# Allegro board 6089-103-RevA_73.brd (continued)
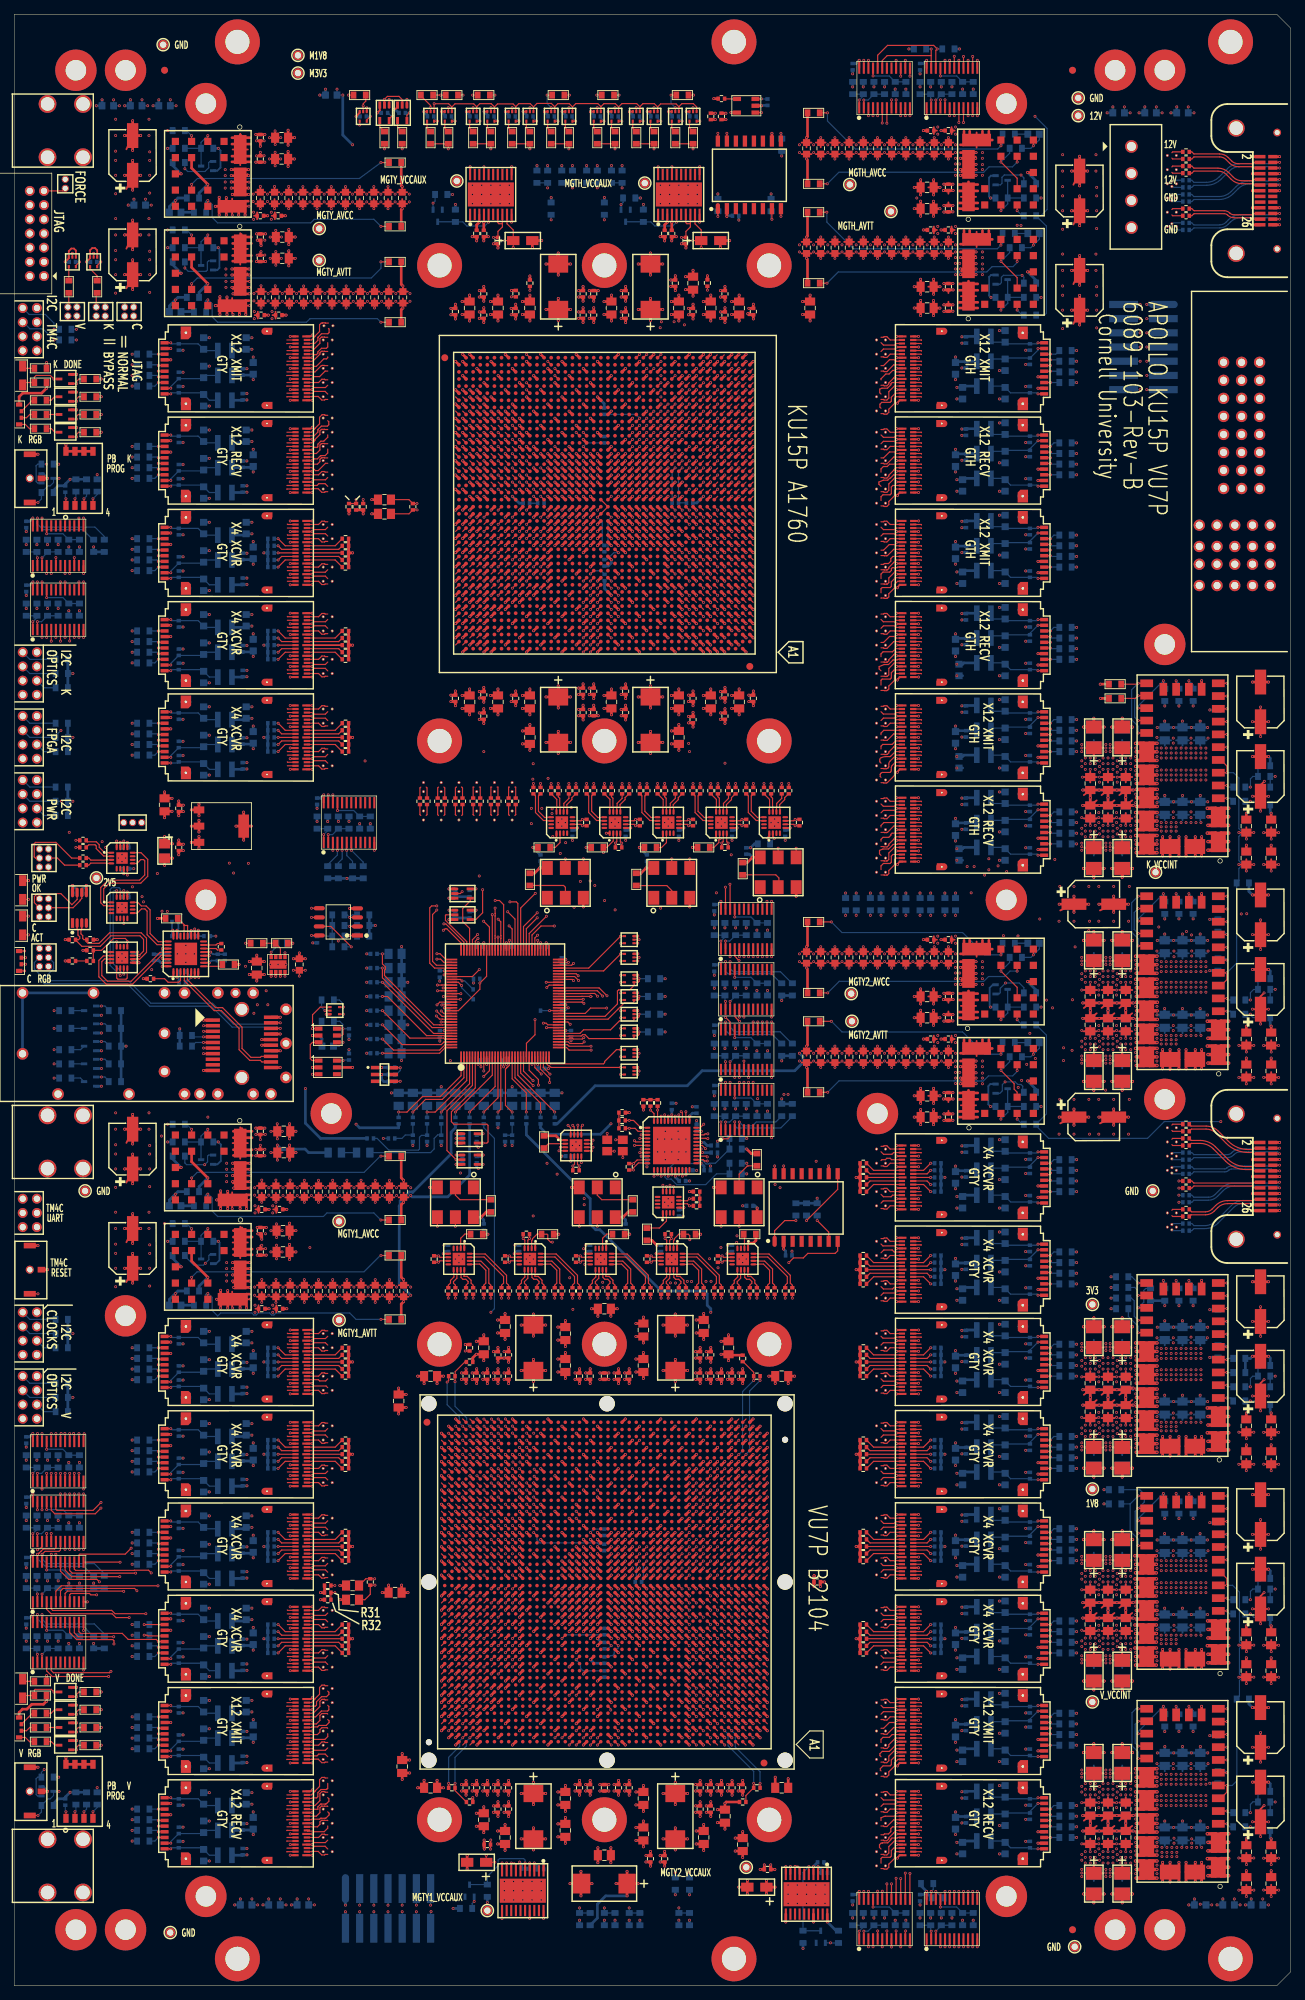
[diagram p0: board, top side]
## Routing (per net, layer and track width the routed paths; a pad name or vN(x,y) marks a point on that pad's centre or on a via; arc(x,y) is an arc through that point) (continued)
PK_FF1_RECV7: length 49.8
  TOP w0.165: U109.B9 127.85,162.4 127.9,162.35 127.9,162.38 ; U65.H2 103.17,194.93
  SIG2 w0.083: 127.9,162.38 126.3,162.38 arc(126.23,162.38) 126.16,162.36 arc(126.09,162.34) 126.03,162.32 arc(125.49,162.17) 124.94,162.12 121.93,162.12 arc(121.66,162.18) 121.43,162.33 115.29,168.47 arc(114.43,169.75) 114.13,171.26 114.13,176.86 arc(113.73,178.87) 112.59,180.57 110.24,182.93 arc(109.27,184.38) 108.93,186.09 108.93,189.93 arc(108.69,191.18) 107.98,192.23 104.8,195.41 arc(104.61,195.54) 104.39,195.58 103.9,195.58 arc(103.78,195.56) 103.69,195.49 103.65,195.46 arc(103.59,195.37) 103.57,195.25 103.57,195.01 103.49,194.93 103.17,194.93
PK_FF1_RECV8: length 51.6
  TOP w0.165: U109.A6 124.55,160.9 124.47,160.82 123.91,160.82 123.26,160.17 122.46,160.17 121.99,159.98 121.99,159.49 122.2,159.28 ; U65.G4 101.17,193.93
  SIG4 w0.083: 122.2,159.28 122.19,159.27 121.54,159.27 arc(121.42,159.25) 121.32,159.18 121.17,159.03 arc(121.15,159.02) 121.11,159.01 121.01,159.01 arc(120.95,159.02) 120.91,159.05 115.57,164.39 arc(114.71,165.68) 114.41,167.19 114.41,179.09 arc(114.13,180.52) 113.32,181.73 109.49,185.56 arc(108.64,186.82) 108.35,188.3 108.35,188.82 arc(108,190.6) 106.99,192.11 104.83,194.27 arc(104.58,194.44) 104.28,194.5 101.91,194.5 arc(101.79,194.47) 101.7,194.41 101.65,194.36 arc(101.59,194.27) 101.57,194.16 101.57,194.01 101.49,193.93 101.17,193.93
PK_FF1_RECV9: length 50.2
  TOP w0.165: U109.B6 127.85,160.9 127.9,160.85 127.9,160.88 ; U65.F2 103.17,192.93
  SIG2 w0.083: 103.17,192.93 103.49,192.93 103.57,193.01 103.57,193.25 arc(103.59,193.37) 103.65,193.46 103.69,193.49 arc(103.78,193.56) 103.9,193.58 104.41,193.58 arc(104.82,193.5) 105.18,193.26 107.06,191.38 arc(107.59,190.58) 107.78,189.63 107.78,185.75 arc(108.13,183.96) 109.14,182.45 111.73,179.87 arc(112.45,178.79) 112.7,177.53 112.7,170.38 112.7,170.38 arc(112.92,169.24) 113.57,168.27 121.42,160.42 arc(121.76,160.2) 122.15,160.12 123.31,160.12 arc(123.6,160.18) 123.86,160.35 123.93,160.43 arc(124.26,160.64) 124.65,160.72 127.45,160.72 127.61,160.88 127.9,160.88
PK_FF1_RECV10: length 52.3
  TOP w0.165: U109.A3 123.89,159.4 123.65,159.16 123.65,158.31 123.48,158.14 122.54,158.14 122.2,157.8 122.2,157.28 ; U65.E4 101.17,191.93
  SIG4 w0.083: 122.2,157.28 121.42,157.28 arc(121.29,157.26) 121.17,157.19 121.08,157.11 arc(121,157.06) 120.91,157.04 120.55,157.04 arc(120.49,157.05) 120.43,157.09 114.52,163 arc(113.52,164.04) 112.58,165.13 111.11,166.89 arc(110.7,167.5) 110.41,168.17 110.32,168.49 arc(110.08,169.52) 110,170.58 110,179.12 arc(109.74,180.44) 108.99,181.56 105.96,184.59 arc(105.33,185.53) 105.11,186.65 105.11,191.75 arc(105.06,191.99) 104.93,192.18 104.69,192.42 arc(104.54,192.52) 104.36,192.56 101.86,192.56 101.76,192.52 101.73,192.52 101.71,192.5 arc(101.69,192.47) 101.67,192.45 arc(101.6,192.31) 101.57,192.15 101.57,192.01 101.49,191.93 101.17,191.93
PK_FF1_RECV11: length 50.4
  TOP w0.165: U65.D2 103.17,190.93 ; U109.B3 127.85,159.4 127.9,159.35 127.9,159.38
  SIG2 w0.083: 127.9,159.38 127.61,159.38 127.45,159.22 125.26,159.22 arc(124.59,159.09) 124.03,158.72 123.96,158.64 arc(123.36,158.24) 122.65,158.1 122.15,158.1 arc(121.68,158.2) 121.27,158.47 112.19,167.55 arc(111.68,168.31) 111.5,169.21 111.5,177.12 arc(111.24,178.4) 110.52,179.48 105.96,184.05 arc(105.28,185.07) 105.04,186.27 105.04,190.87 arc(104.98,191.14) 104.83,191.37 104.79,191.41 arc(104.63,191.52) 104.43,191.56 103.9,191.56 arc(103.78,191.53) 103.69,191.47 103.65,191.44 arc(103.59,191.34) 103.57,191.23 103.57,191.01 103.49,190.93 103.17,190.93
PK_FF1_XMIT0: length 44.3
  TOP w0.165: U108.B18 127.85,179.9 127.9,179.85 127.9,179.88 ; U65.R8 97.17,201.93
  SIG3 w0.083: 97.17,201.93 97.64,201.93 97.65,201.94 97.65,202.16 arc(97.67,202.27) 97.74,202.37 97.76,202.4 arc(97.86,202.46) 97.97,202.48 104.17,202.48 arc(104.58,202.4) 104.92,202.17 116.95,190.14 arc(117.49,189.34) 117.67,188.4 117.67,186.97 arc(117.9,185.82) 118.56,184.84 122.3,181.1 arc(122.53,180.94) 122.82,180.88 123.05,180.88 arc(123.39,180.82) 123.67,180.63 124.27,180.03 arc(124.61,179.8) 125.01,179.72 127.74,179.72 127.9,179.88
PK_FF1_XMIT1: length 39.8
  TOP w0.165: 122.2,180.28 122.56,180.28 122.64,180.36 123.03,180.36 123.49,179.9 U108.A18 ; U65.P6 99.17,200.93
  SIG1 w0.083: 122.2,180.28 121.5,180.28 arc(121.36,180.25) 121.25,180.18 121.17,180.1 arc(121.04,180.01) 120.89,179.98 120.7,179.98 arc(120.48,180.03) 120.3,180.15 118.6,181.84 arc(118.02,182.72) 117.81,183.76 117.81,186.72 arc(117.3,189.3) 115.84,191.48 106.66,200.65 arc(105.64,201.34) 104.43,201.58 99.9,201.58 arc(99.78,201.56) 99.69,201.49 99.65,201.46 arc(99.59,201.37) 99.57,201.25 99.57,201.01 99.49,200.93 99.17,200.93
PK_FF1_XMIT2: length 44.5
  TOP w0.165: U65.N8 97.17,199.93 ; U108.B15 127.85,178.4 127.9,178.35 127.9,178.38
  SIG3 w0.083: 127.9,178.38 127.87,178.38 127.71,178.22 124.91,178.22 arc(124.6,178.28) 124.33,178.46 124.05,178.75 arc(123.75,178.95) 123.39,179.02 122.1,179.02 arc(121.67,179.11) 121.3,179.35 117.05,183.6 arc(116.4,184.58) 116.17,185.73 116.17,187.63 arc(115.93,188.83) 115.25,189.85 104.94,200.16 arc(104.47,200.47) 103.93,200.58 97.91,200.58 arc(97.75,200.54) 97.64,200.42 arc(97.61,200.37) 97.59,200.31 arc(97.57,200.23) 97.57,200.16 97.57,200.01 97.49,199.93 97.17,199.93
PK_FF1_XMIT3: length 39.8
  TOP w0.165: U108.A15 124.34,178.4 124.12,178.62 122.54,178.62 122.2,178.28 ; U65.M6 99.17,198.93
  SIG1 w0.083: 122.2,178.28 121.48,178.28 arc(121.36,178.26) 121.26,178.19 121.14,178.08 arc(121.04,178.01) 120.92,177.98 120.49,177.98 arc(120.19,178.04) 119.94,178.21 117.13,181.02 arc(116.27,182.31) 115.97,183.83 115.97,187.22 arc(115.61,189.02) 114.59,190.54 arc(114.58,190.55) 114.57,190.56 107.04,198.09 arc(106.52,198.51) 105.94,198.83 104.43,199.45 arc(104.18,199.52) 103.93,199.55 99.9,199.55 arc(99.78,199.53) 99.69,199.46 99.65,199.43 arc(99.59,199.34) 99.57,199.22 99.57,199.01 99.49,198.93 99.17,198.93
PK_FF1_XMIT4: length 44.4
  TOP w0.165: 127.9,176.88 127.9,176.85 127.85,176.9 U108.B12 ; U65.L8 97.17,197.93
  SIG3 w0.083: 97.17,197.93 97.49,197.93 97.57,198.01 97.57,198.17 arc(97.59,198.28) 97.65,198.38 97.69,198.41 arc(97.78,198.48) 97.9,198.5 104.27,198.5 arc(104.69,198.42) 105.05,198.18 113.85,189.38 arc(114.48,188.43) 114.7,187.32 114.7,185.03 arc(114.9,184.03) 115.46,183.19 121.49,177.16 arc(121.64,177.06) 121.81,177.03 122.95,177.03 arc(123.16,176.98) 123.33,176.87 123.37,176.83 arc(123.49,176.75) 123.63,176.72 127.74,176.72 127.9,176.88
PK_FF1_XMIT5: length 40
  TOP w0.165: U65.K6 99.17,196.93 ; U108.A12 122.59,176.9 122.2,176.51 122.2,176.28
  SIG1 w0.083: 99.17,196.93 99.4,196.93 99.5,197.03 99.5,197.21 arc(99.52,197.33) 99.59,197.42 99.62,197.45 arc(99.71,197.52) 99.83,197.54 103.77,197.54 arc(104.46,197.47) 105.11,197.27 106.09,196.87 arc(106.68,196.55) 107.2,196.13 112.85,190.47 arc(112.86,190.46) 112.87,190.46 arc(113.84,189) 114.19,187.28 114.19,183.82 arc(114.51,182.19) 115.43,180.82 120,176.24 arc(120.3,176.04) 120.66,175.97 120.86,175.97 arc(121.01,176) 121.13,176.08 121.26,176.21 arc(121.34,176.26) 121.43,176.28 122.2,176.28
PK_FF1_XMIT6: length 44.4
  TOP w0.165: U108.B9 127.89,175.4 ; U65.J8 97.21,195.89
  SIG3 w0.083: 97.21,195.89 97.52,195.89 97.6,195.97 97.6,196.21 arc(97.63,196.36) 97.71,196.48 97.72,196.49 arc(97.82,196.56) 97.94,196.58 103.94,196.58 arc(104.75,196.42) 105.43,195.96 111.88,189.51 arc(112.72,188.26) 113.01,186.79 113.01,184.81 arc(113.2,183.85) 113.74,183.04 121.59,175.2 arc(121.74,175.09) 121.91,175.06 122.48,175.06 arc(122.56,175.07) 122.62,175.11 122.63,175.13 arc(122.75,175.21) 122.89,175.24 127.73,175.24 127.89,175.4
PK_FF1_XMIT7: length 40.3
  TOP w0.165: U65.H6 99.17,194.93 ; U108.A9 124.25,175.4 123.77,174.92 122.45,174.92 122.2,174.67 122.2,174.28
  SIG1 w0.083: 122.2,174.28 121.44,174.28 arc(121.33,174.26) 121.24,174.2 121.14,174.1 arc(121.04,174.03) 120.93,174.01 120.71,174.01 arc(120.27,174.1) 119.9,174.34 113.48,180.77 arc(112.53,182.18) 112.2,183.86 112.2,187.25 arc(111.83,189.12) 110.76,190.71 arc(110.75,190.72) 110.75,190.73 107.19,194.28 arc(106.73,194.67) 106.19,194.95 105.22,195.36 arc(104.78,195.49) 104.32,195.53 99.9,195.53 arc(99.78,195.51) 99.69,195.45 99.65,195.42 arc(99.59,195.32) 99.57,195.21 99.57,195.01 99.49,194.93 99.17,194.93
PK_FF1_XMIT8: length 47.3
  TOP w0.165: U108.B6 127.85,173.9 127.9,173.85 127.9,173.88 ; U65.H10 95.17,194.93
  SIG3 w0.083: 127.9,173.88 127.69,173.68 123.9,173.68 arc(123.51,173.6) 123.18,173.38 123.02,173.22 arc(122.81,173.08) 122.56,173.03 122.02,173.03 arc(121.74,173.09) 121.49,173.25 112.1,182.64 arc(111.55,183.46) 111.36,184.43 111.36,187.21 111.38,187.25 111.36,187.29 110.55,189.33 110.55,189.34 110.52,189.36 110.52,189.43 107.3,192.65 104.63,195.32 arc(104.38,195.49) 104.08,195.54 95.9,195.54 arc(95.78,195.52) 95.69,195.46 95.68,195.45 arc(95.61,195.35) 95.59,195.24 95.59,195.03 95.49,194.93 95.17,194.93
PK_FF1_XMIT9: length 43.8
  TOP w0.165: 122.2,172.28 122.07,172.41 arc(122.03,172.47) 122.02,172.53 122.02,172.76 arc(122.08,172.94) 122.24,173.05 arc(122.55,173.16) 122.87,173.2 123.44,173.2 arc(123.5,173.21) 123.55,173.24 124.11,173.8 arc(124.22,173.87) 124.35,173.9 U108.A6 ; U65.G8 97.17,193.93
  SIG1 w0.083: 122.2,172.28 121.44,172.28 arc(121.28,172.25) 121.16,172.17 121.11,172.12 arc(120.98,172.03) 120.84,172 120.28,172 arc(119.83,172.09) 119.45,172.35 112.22,179.57 arc(111.13,181.2) 110.75,183.13 110.75,187.15 arc(110.42,188.81) 109.48,190.22 105.84,193.86 arc(105.06,194.38) 104.15,194.56 97.77,194.56 97.57,194.35 97.57,194.01 97.49,193.93 97.17,193.93
PK_FF1_XMIT10: length 43.8
  TOP w0.165: U65.F6 99.17,192.93 ; 127.9,172.38 127.9,172.35 127.85,172.4 U108.B3
  SIG3 w0.083: 99.17,192.93 99.49,192.93 99.57,193.01 99.57,193.21 arc(99.68,193.47) 99.94,193.58 104.06,193.58 arc(104.61,193.47) 105.06,193.17 109.04,189.19 arc(109.79,188.07) 110.05,186.75 110.05,183.49 arc(110.19,182.79) 110.59,182.2 121.59,171.19 arc(121.75,171.09) 121.94,171.05 122.39,171.05 arc(122.63,171.1) 122.84,171.24 123.57,171.97 arc(123.85,172.16) 124.18,172.22 127.74,172.22 127.9,172.38
PK_FF1_XMIT11: length 46.9
  TOP w0.165: 122.2,170.28 122.08,170.4 122.08,170.68 arc(122.1,170.74) 122.13,170.79 122.22,170.88 arc(122.31,170.94) 122.42,170.96 123.43,170.96 arc(123.51,170.99) 123.58,171.05 arc(123.63,171.17) 123.65,171.31 123.65,171.64 arc(123.68,171.8) 123.77,171.94 124.13,172.3 arc(124.24,172.37) 124.37,172.4 U108.A3 ; U65.F10 95.17,192.93
  SIG1 w0.083: 122.2,170.28 121.49,170.28 arc(121.36,170.26) 121.26,170.19 121.16,170.09 arc(121.07,170.03) 120.96,170 120.41,170 arc(119.84,170.12) 119.35,170.44 110.6,179.2 arc(109.5,180.85) 109.11,182.79 109.11,187.37 arc(108.83,188.78) 108.03,189.98 104.87,193.14 arc(104.42,193.44) 103.9,193.54 95.9,193.54 arc(95.78,193.52) 95.69,193.45 95.65,193.42 arc(95.59,193.33) 95.57,193.21 95.57,193.01 95.49,192.93 95.17,192.93
PK_FF2_RECV0: length 39
  TOP w0.165: U107.A18 123.49,192.9 123.03,193.36 122.64,193.36 122.56,193.28 122.2,193.28 ; U65.AG4 101.17,214.87
  SIG4 w0.083: 122.2,193.28 121.51,193.28 arc(121.4,193.26) 121.3,193.2 121.18,193.08 arc(121.1,193.02) 121,193 120.82,193 arc(120.66,193.04) 120.53,193.14 arc(120.35,193.45) 120.29,193.81 120.29,199.71 arc(119.99,201.2) 119.15,202.46 106.75,214.86 arc(106.04,215.33) 105.21,215.5 101.92,215.5 arc(101.67,215.4) 101.57,215.15 101.57,214.96 101.49,214.87 101.17,214.87
PK_FF2_RECV1: length 37.8
  TOP w0.165: U65.AF2 103.17,213.87 ; U107.B18 127.85,192.9 127.9,192.85 127.9,192.88
  SIG2 w0.083: 127.9,192.88 127.61,192.88 127.4,192.68 126.31,192.68 arc(125.98,192.74) 125.7,192.93 125.1,193.53 arc(123.94,194.31) 122.56,194.59 arc(121.79,194.74) 121.14,195.18 arc(120.29,196.45) 119.99,197.95 119.99,198.86 arc(119.7,200.29) 118.89,201.51 106.64,213.76 arc(105.82,214.31) 104.85,214.5 103.9,214.5 arc(103.78,214.48) 103.69,214.41 103.65,214.38 arc(103.59,214.29) 103.57,214.17 103.57,213.96 103.49,213.87 103.17,213.87
PK_FF2_RECV2: length 39
  TOP w0.165: 122.2,191.28 122.54,191.62 124.12,191.62 124.34,191.4 U107.A15 ; U65.AE4 101.17,212.87
  SIG4 w0.083: 101.17,212.87 101.44,212.87 arc(101.53,212.91) 101.57,213 101.57,213.19 arc(101.67,213.43) 101.9,213.53 104.95,213.53 arc(105.69,213.38) 106.31,212.96 118.51,200.76 arc(119.12,199.85) 119.33,198.77 119.33,192.83 arc(119.47,192.17) 119.84,191.61 120.28,191.17 arc(120.49,191.03) 120.74,190.98 120.92,190.98 arc(121.04,191.01) 121.14,191.07 121.25,191.19 arc(121.36,191.26) 121.48,191.28 122.2,191.28
PK_FF2_RECV3: length 38.4
  TOP w0.165: 127.9,191.38 127.9,191.35 127.85,191.4 U107.B15 ; U65.AD2 103.17,211.87
  SIG2 w0.083: 127.9,191.38 127.46,191.38 127.29,191.22 124.89,191.22 arc(124.61,191.27) 124.37,191.43 124.05,191.75 arc(123.73,191.96) 123.35,192.04 121.74,192.04 arc(121.37,192.11) 121.06,192.32 120.5,192.88 arc(120.03,193.45) 119.69,194.11 119.07,195.63 arc(118.79,196.6) 118.69,197.61 118.69,198.44 arc(118.39,199.94) 117.54,201.22 106.99,211.76 arc(106.15,212.33) 105.15,212.53 103.9,212.53 arc(103.78,212.51) 103.69,212.44 103.65,212.41 arc(103.59,212.31) 103.57,212.2 103.57,211.96 103.49,211.87 103.17,211.87
PK_FF2_RECV4: length 38.7
  TOP w0.165: U107.A12 124.34,189.9 124.12,190.12 123.4,190.12 122.56,189.28 122.2,189.28 ; U65.AC4 101.17,210.87
  SIG4 w0.083: 122.2,189.28 121.44,189.28 arc(121.33,189.26) 121.24,189.2 121.07,189.03 arc(121.05,189.02) 121.02,189.01 120.92,189.01 arc(120.89,189.02) 120.86,189.03 119.31,190.58 arc(118.4,191.96) 118.07,193.58 118.07,197.65 arc(117.87,198.69) 117.28,199.57 105.78,211.07 arc(105.28,211.41) 104.67,211.53 101.93,211.53 arc(101.68,211.42) 101.57,211.16 101.57,210.96 101.49,210.87 101.17,210.87
PK_FF2_RECV5: length 38.5
  TOP w0.165: U107.B12 127.85,189.9 127.9,189.85 127.9,189.88 ; U65.AB2 103.17,209.87
  SIG2 w0.083: 127.9,189.88 127.72,189.7 125.34,189.7 arc(125.31,189.71) 125.28,189.73 125.13,189.88 arc(125.01,189.96) 124.87,189.98 121.86,189.98 arc(121.51,190.05) 121.22,190.25 118.85,192.62 arc(118.55,192.98) 118.34,193.39 117.91,194.45 arc(117.58,195.59) 117.46,196.77 117.46,197.98 arc(117.14,199.59) 116.23,200.95 107.28,209.9 arc(106.59,210.36) 105.77,210.53 103.9,210.53 arc(103.78,210.51) 103.69,210.44 103.66,210.41 arc(103.59,210.31) 103.57,210.19 103.57,209.96 103.49,209.87 103.17,209.87
PK_FF2_RECV6: length 37.5
  TOP w0.165: U107.A9 124.25,188.4 123.81,187.96 122.49,187.96 122.2,187.67 122.2,187.28 ; U65.AA4 101.17,207.93
  SIG4 w0.083: 101.17,207.93 101.49,207.93 101.57,208.01 101.57,208.22 arc(101.67,208.47) 101.92,208.57 104.03,208.57 arc(104.29,208.52) 104.52,208.37 115.86,197.03 arc(116.55,195.98) 116.8,194.75 116.8,192.86 arc(117.18,190.87) 118.27,189.17 arc(118.32,189.12) 118.37,189.07 120.31,187.13 arc(120.41,187.06) 120.52,187.04 121.03,187.04 arc(121.08,187.05) 121.12,187.08 121.2,187.16 arc(121.33,187.25) 121.49,187.28 122.2,187.28
PK_FF2_RECV7: length 36.5
  TOP w0.165: U65.Y2 103.17,206.93 ; U107.B9 127.85,188.4 127.9,188.35 127.9,188.38
  SIG2 w0.083: 127.9,188.38 127.61,188.38 127.45,188.22 125.85,188.22 arc(125.71,188.19) 125.6,188.12 125.59,188.11 arc(125.52,188.06) 125.45,188.05 121.78,188.05 arc(121.45,188.12) 121.16,188.31 116.9,192.57 arc(116.36,193.37) 116.17,194.32 116.17,194.8 arc(115.97,195.85) 115.38,196.73 104.69,207.42 arc(104.56,207.5) 104.42,207.53 103.9,207.53 arc(103.78,207.51) 103.69,207.45 103.65,207.41 arc(103.59,207.32) 103.57,207.2 103.57,207.01 103.49,206.93 103.17,206.93
PK_FF2_RECV8: length 37.9
  TOP w0.165: U65.W4 101.17,205.93 ; 122.2,185.28 121.94,185.55 121.94,185.88 122.64,186.17 123.26,186.17 123.91,186.82 124.47,186.82 124.55,186.9 U107.A6
  SIG4 w0.083: 101.17,205.93 101.49,205.93 101.57,206.01 101.57,206.15 arc(101.59,206.26) 101.65,206.36 101.7,206.4 arc(101.79,206.47) 101.9,206.49 104.27,206.49 arc(104.5,206.44) 104.7,206.31 114.21,196.8 arc(115.2,195.31) 115.55,193.56 115.55,192.58 arc(115.97,190.45) 117.18,188.64 120.79,185.03 arc(120.86,184.99) 120.93,184.97 121.03,184.97 arc(121.1,184.98) 121.16,185.02 121.3,185.16 arc(121.43,185.25) 121.59,185.28 122.2,185.28
PK_FF2_RECV9: length 36.6
  TOP w0.165: U65.V2 103.17,204.93 ; U107.B6 127.85,186.9 127.9,186.85 127.9,186.88
  SIG2 w0.083: 103.17,204.93 103.49,204.93 103.57,205.01 103.57,205.25 arc(103.59,205.37) 103.65,205.46 103.69,205.49 arc(103.78,205.56) 103.9,205.58 104.34,205.58 arc(104.55,205.54) 104.74,205.42 113.66,196.49 arc(114.19,195.84) 114.59,195.11 114.6,195.08 arc(114.82,194.39) 114.93,193.67 arc(115.21,192.6) 115.84,191.69 121.22,186.31 arc(121.56,186.09) 121.96,186.01 123.12,186.01 arc(123.42,186.07) 123.67,186.24 123.87,186.43 arc(124.19,186.65) 124.57,186.72 127.45,186.72 127.61,186.88 127.9,186.88
PK_FF2_RECV10: length 38.5
  TOP w0.165: U65.U4 101.17,203.93 ; 122.2,183.28 122.2,183.95 122.37,184.12 123.48,184.12 123.65,184.28 123.65,185 124.05,185.4 U107.A3
  SIG4 w0.083: 101.17,203.93 101.49,203.93 101.57,204.01 101.57,204.17 arc(101.67,204.42) 101.93,204.53 104.27,204.53 arc(104.64,204.45) 104.95,204.24 113.01,196.18 arc(113.96,194.77) 114.29,193.1 114.29,191.38 arc(114.63,189.67) 115.6,188.23 120.77,183.06 arc(120.84,183) 120.94,182.99 121.05,182.99 arc(121.12,183) 121.18,183.04 121.34,183.2 arc(121.43,183.26) 121.53,183.28 122.2,183.28
PK_FF2_RECV11: length 36.7
  TOP w0.165: U65.T2 103.17,202.93 ; 127.9,185.38 127.9,185.35 127.85,185.4 U107.B3
  SIG2 w0.083: 103.17,202.93 103.49,202.93 103.57,203.01 103.57,203.25 arc(103.59,203.37) 103.65,203.46 103.69,203.49 arc(103.78,203.56) 103.9,203.58 104.37,203.58 arc(104.59,203.54) 104.77,203.41 112.28,195.91 arc(112.77,195.31) 113.13,194.64 113.57,193.57 arc(113.62,193.44) 113.65,193.31 arc(113.68,193.13) 113.7,192.95 arc(113.97,191.89) 114.6,191 121.25,184.34 arc(121.59,184.12) 121.98,184.04 123.03,184.04 arc(123.33,184.1) 123.59,184.27 124.24,184.92 arc(124.57,185.14) 124.97,185.22 127.45,185.22 127.61,185.38 127.9,185.38
PK_FF2_XMIT0: length 36.8
  TOP w0.165: U65.AG8 97.17,214.87 ; 127.9,205.88 127.9,205.85 127.85,205.9 U106.B18
  SIG3 w0.083: 97.17,214.87 97.19,214.85 97.57,214.85 97.57,215.1 arc(97.59,215.22) 97.65,215.31 97.78,215.44 arc(97.88,215.51) 97.99,215.53 103.03,215.53 103.63,215.53 arc(104.88,215.28) 105.94,214.57 111.94,208.57 arc(113,207.86) 114.25,207.61 121.76,207.61 arc(122.62,207.44) 123.35,206.95 124.14,206.16 arc(124.63,205.83) 125.2,205.72 127.74,205.72 127.9,205.88
PK_FF2_XMIT1: length 30.8
  TOP w0.165: U106.A18 123.49,205.9 123.03,206.36 122.64,206.36 122.56,206.28 122.2,206.28 ; U65.AF6 99.17,213.87
  SIG1 w0.083: 122.2,206.28 121.36,206.28 arc(121.19,206.25) 121.05,206.15 121.04,206.14 arc(120.88,206.04) 120.7,206 120.14,206 arc(119.48,206.13) 118.93,206.5 111.79,213.64 arc(110.88,214.25) 109.81,214.46 99.97,214.46 arc(99.86,214.44) 99.76,214.38 99.73,214.34 arc(99.67,214.25) 99.64,214.14 99.64,213.81 99.23,213.81 99.17,213.87
PK_FF2_XMIT2: length 36.7
  TOP w0.165: U106.B15 127.85,204.4 127.9,204.35 127.9,204.38 ; U65.AE8 97.17,212.87
  SIG3 w0.083: 97.17,212.87 97.24,212.81 97.6,212.81 97.6,213.16 arc(97.62,213.27) 97.68,213.36 97.76,213.44 arc(97.86,213.51) 97.97,213.53 103.96,213.53 arc(105.01,213.32) 105.9,212.72 112.36,206.26 arc(113.71,205.36) 115.29,205.05 122.64,205.05 arc(123.06,204.96) 123.43,204.72 123.54,204.61 arc(123.97,204.32) 124.48,204.22 127.74,204.22 127.9,204.38
PK_FF2_XMIT3: length 30.6
  TOP w0.165: U65.AD6 99.17,211.87 ; 122.2,204.28 122.51,204.59 124.15,204.59 124.34,204.4 U106.A15
  SIG1 w0.083: 122.2,204.28 121.41,204.28 arc(121.24,204.25) 121.09,204.15 121.03,204.09 arc(120.89,203.99) 120.71,203.96 120.1,203.96 arc(119.19,204.14) 118.41,204.66 111.8,211.27 arc(110.51,212.13) 108.99,212.43 99.84,212.43 arc(99.72,212.41) 99.63,212.34 99.58,212.29 99.49,212.09 99.49,211.85 99.2,211.85 99.17,211.87
PK_FF2_XMIT4: length 36.5
  TOP w0.165: 127.9,202.88 127.9,202.85 127.85,202.9 U106.B12 ; U65.AC8 97.17,210.87
  SIG3 w0.083: 97.17,210.87 97.55,210.87 97.57,210.89 97.57,211.17 arc(97.59,211.29) 97.65,211.38 97.69,211.41 arc(97.78,211.48) 97.89,211.5 104.27,211.5 arc(105.25,211.31) 106.08,210.75 112.85,203.98 arc(113.81,203.34) 114.95,203.11 123.6,203.11 arc(123.82,203.07) 124.01,202.94 124.08,202.87 arc(124.24,202.76) 124.44,202.72 127.74,202.72 127.9,202.88
PK_FF2_XMIT5: length 30.8
  TOP w0.165: 122.2,202.28 122.56,202.28 123.35,203.07 124.17,203.07 124.34,202.9 U106.A12 ; U65.AB6 99.17,209.87
  SIG1 w0.083: 122.2,202.28 121.38,202.28 arc(121.23,202.25) 121.11,202.17 120.97,202.03 arc(120.89,201.98) 120.8,201.96 119.52,201.96 arc(118.81,202.1) 118.2,202.51 111.58,209.13 arc(110.03,210.16) 108.2,210.53 99.97,210.53 arc(99.86,210.51) 99.77,210.44 99.73,210.41 arc(99.67,210.31) 99.65,210.2 99.65,210.03 99.49,209.87 99.17,209.87
PK_FF2_XMIT6: length 36.3
  TOP w0.165: 127.9,201.38 127.9,201.35 127.85,201.4 U106.B9 ; U65.AA8 97.17,207.93
  SIG3 w0.083: 97.17,207.93 97.6,207.93 97.6,208.18 arc(97.7,208.41) 97.93,208.51 104.69,208.51 arc(104.77,208.5) 104.85,208.48 arc(104.9,208.46) 104.96,208.43 arc(105.02,208.39) 105.07,208.34 111.91,201.5 arc(112.57,201.06) 113.36,200.9 123.54,200.9 arc(123.64,200.92) 123.73,200.98 123.81,201.06 arc(123.99,201.18) 124.2,201.22 127.74,201.22 127.9,201.38
PK_FF2_XMIT7: length 30.6
  TOP w0.165: 122.2,200.28 122.56,200.28 122.68,200.4 123.26,200.4 123.58,200.73 123.58,201.11 123.88,201.4 U106.A9 ; U65.Y6 99.17,206.93
  SIG1 w0.083: 99.17,206.93 99.57,206.93 99.58,206.94 99.58,207.16 arc(99.6,207.27) 99.67,207.36 99.7,207.4 arc(99.8,207.46) 99.91,207.48 102.4,207.48 102.94,207.48 102.94,207.48 103.4,207.48 103.94,207.48 103.94,207.48 104.4,207.48 108.7,207.48 arc(110.61,207.08) 112.23,205.98 117.62,200.59 arc(118.26,200.16) 119.02,200.01 120.68,200.01 arc(120.79,200.03) 120.89,200.1 120.95,200.16 arc(121.09,200.25) 121.25,200.28 122.2,200.28
PK_FF2_XMIT8: length 36.4
  TOP w0.165: U65.W8 97.17,205.93 ; U106.B6 127.85,199.9 127.9,199.85 127.9,199.88
  SIG3 w0.083: 127.9,199.88 127.74,199.72 123.91,199.72 arc(123.55,199.65) 123.25,199.45 122.89,199.09 arc(122.68,198.95) 122.43,198.9 114.05,198.9 arc(112.34,199.24) 110.89,200.21 105,206.1 arc(104.5,206.43) 103.9,206.55 97.97,206.55 arc(97.86,206.53) 97.76,206.46 97.73,206.43 arc(97.67,206.34) 97.64,206.22 97.64,205.91 97.19,205.91 97.17,205.93
PK_FF2_XMIT9: length 31.2
  TOP w0.165: U106.A6 124.55,199.9 124.47,199.82 124.15,199.82 124.15,199.82 123.8,199.82 123.66,199.67 123.66,199.42 123.43,199.2 122.48,199.2 122.2,198.92 122.2,198.28 ; U65.V6 99.17,204.93
  SIG1 w0.083: 122.2,198.28 121.48,198.28 arc(121.33,198.25) 121.21,198.17 121.08,198.04 arc(120.99,197.98) 120.88,197.96 118.77,197.96 arc(117.93,198.13) 117.21,198.61 111.69,204.12 arc(110.08,205.2) 108.17,205.58 99.82,205.58 arc(99.71,205.56) 99.61,205.49 99.58,205.46 arc(99.52,205.37) 99.49,205.25 99.49,205 99.42,204.93 99.17,204.93
PK_FF2_XMIT10: length 36.6
  TOP w0.165: U106.B3 127.85,198.4 127.9,198.35 127.9,198.38 ; U65.U8 97.17,203.93
  SIG3 w0.083: 97.17,203.93 97.58,203.93 97.6,203.95 97.6,204.22 arc(97.62,204.34) 97.69,204.43 97.72,204.46 arc(97.81,204.53) 97.93,204.55 103.98,204.55 arc(104.5,204.45) 104.94,204.15 111.31,197.79 arc(112.29,197.13) 113.45,196.9 122.53,196.9 arc(122.96,196.99) 123.33,197.23 124,197.9 arc(124.36,198.14) 124.78,198.22 127.74,198.22 127.9,198.38
PK_FF2_XMIT11: length 31.6
  TOP w0.165: U106.A3 124.23,198.4 123.65,197.82 123.65,197.18 123.48,197.01 122.37,197.01 122.2,196.85 122.2,196.28 ; U65.T6 99.17,202.93
  SIG1 w0.083: 99.17,202.93 99.49,202.93 99.57,203.01 99.57,203.25 arc(99.59,203.37) 99.65,203.46 99.69,203.49 arc(99.78,203.56) 99.9,203.58 108.24,203.58 arc(110.07,203.22) 111.61,202.18 117.31,196.49 arc(117.87,196.12) 118.53,195.98 120.99,195.98 arc(121.11,196.01) 121.22,196.08 121.33,196.19 arc(121.43,196.26) 121.55,196.28 122.2,196.28
PK_FF3_RECV0: length 28.7
  TOP w0.165: 122.2,219.28 122.56,219.28 122.64,219.36 123.03,219.36 123.49,218.9 U105.A18 ; U65.AW4 101.17,226.87
  SIG4 w0.083: 122.2,219.28 121.41,219.28 arc(121.35,219.27) 121.3,219.24 121.09,219.02 arc(121.05,218.99) 120.99,218.98 120.9,218.98 arc(120.78,219.01) 120.67,219.08 113.01,226.74 arc(112.22,227.27) 111.29,227.45 101.92,227.45 arc(101.67,227.35) 101.57,227.1 101.57,226.96 101.49,226.87 101.17,226.87
PK_FF3_RECV1: length 30.2
  TOP w0.165: U65.AV2 103.17,225.87 ; U105.B18 127.85,218.9 127.9,218.85 127.9,218.88
  SIG2 w0.083: 127.9,218.88 127.61,218.88 127.4,218.68 126.41,218.68 arc(126.05,218.75) 125.75,218.95 124.81,219.89 arc(124.45,220.13) 124.03,220.21 112.27,220.21 arc(111.11,220.45) 110.13,221.1 104.7,226.53 103.95,226.53 arc(103.84,226.51) 103.74,226.44 103.64,226.34 arc(103.57,226.24) 103.55,226.13 103.55,225.88 103.54,225.87 103.17,225.87
PK_FF3_RECV2: length 28.7
  TOP w0.165: U105.A15 124.34,217.4 124.12,217.62 122.54,217.62 122.2,217.28 ; U65.AU4 101.17,224.87
  SIG4 w0.083: 101.17,224.87 101.56,224.87 101.59,224.9 101.59,225.12 arc(101.62,225.27) 101.7,225.39 101.71,225.4 arc(101.8,225.46) 101.92,225.48 110.41,225.48 arc(112.03,225.16) 113.41,224.24 120.57,217.08 arc(120.65,217.03) 120.74,217.01 120.79,217.01 arc(121.01,217.05) 121.21,217.17 arc(121.24,217.19) 121.27,217.21 arc(121.34,217.24) 121.41,217.27 arc(121.45,217.28) 121.49,217.28 122.2,217.28
